# Altium PCB PicoHAL.pcbdoc (part 4 of 5)
Units mm, origin at the board's own origin, x right, y up, seen from the top; angles counter-clockwise.
Board outline 53.34 x 73.15 mm, 4 copper layers (Top Layer, GND, PWR, Bottom Layer), stack 1.807 mm thick; 173 components, 120 nets, 5460 pads, 269 vias.
Unrouted connection lines stored in the file: 1.
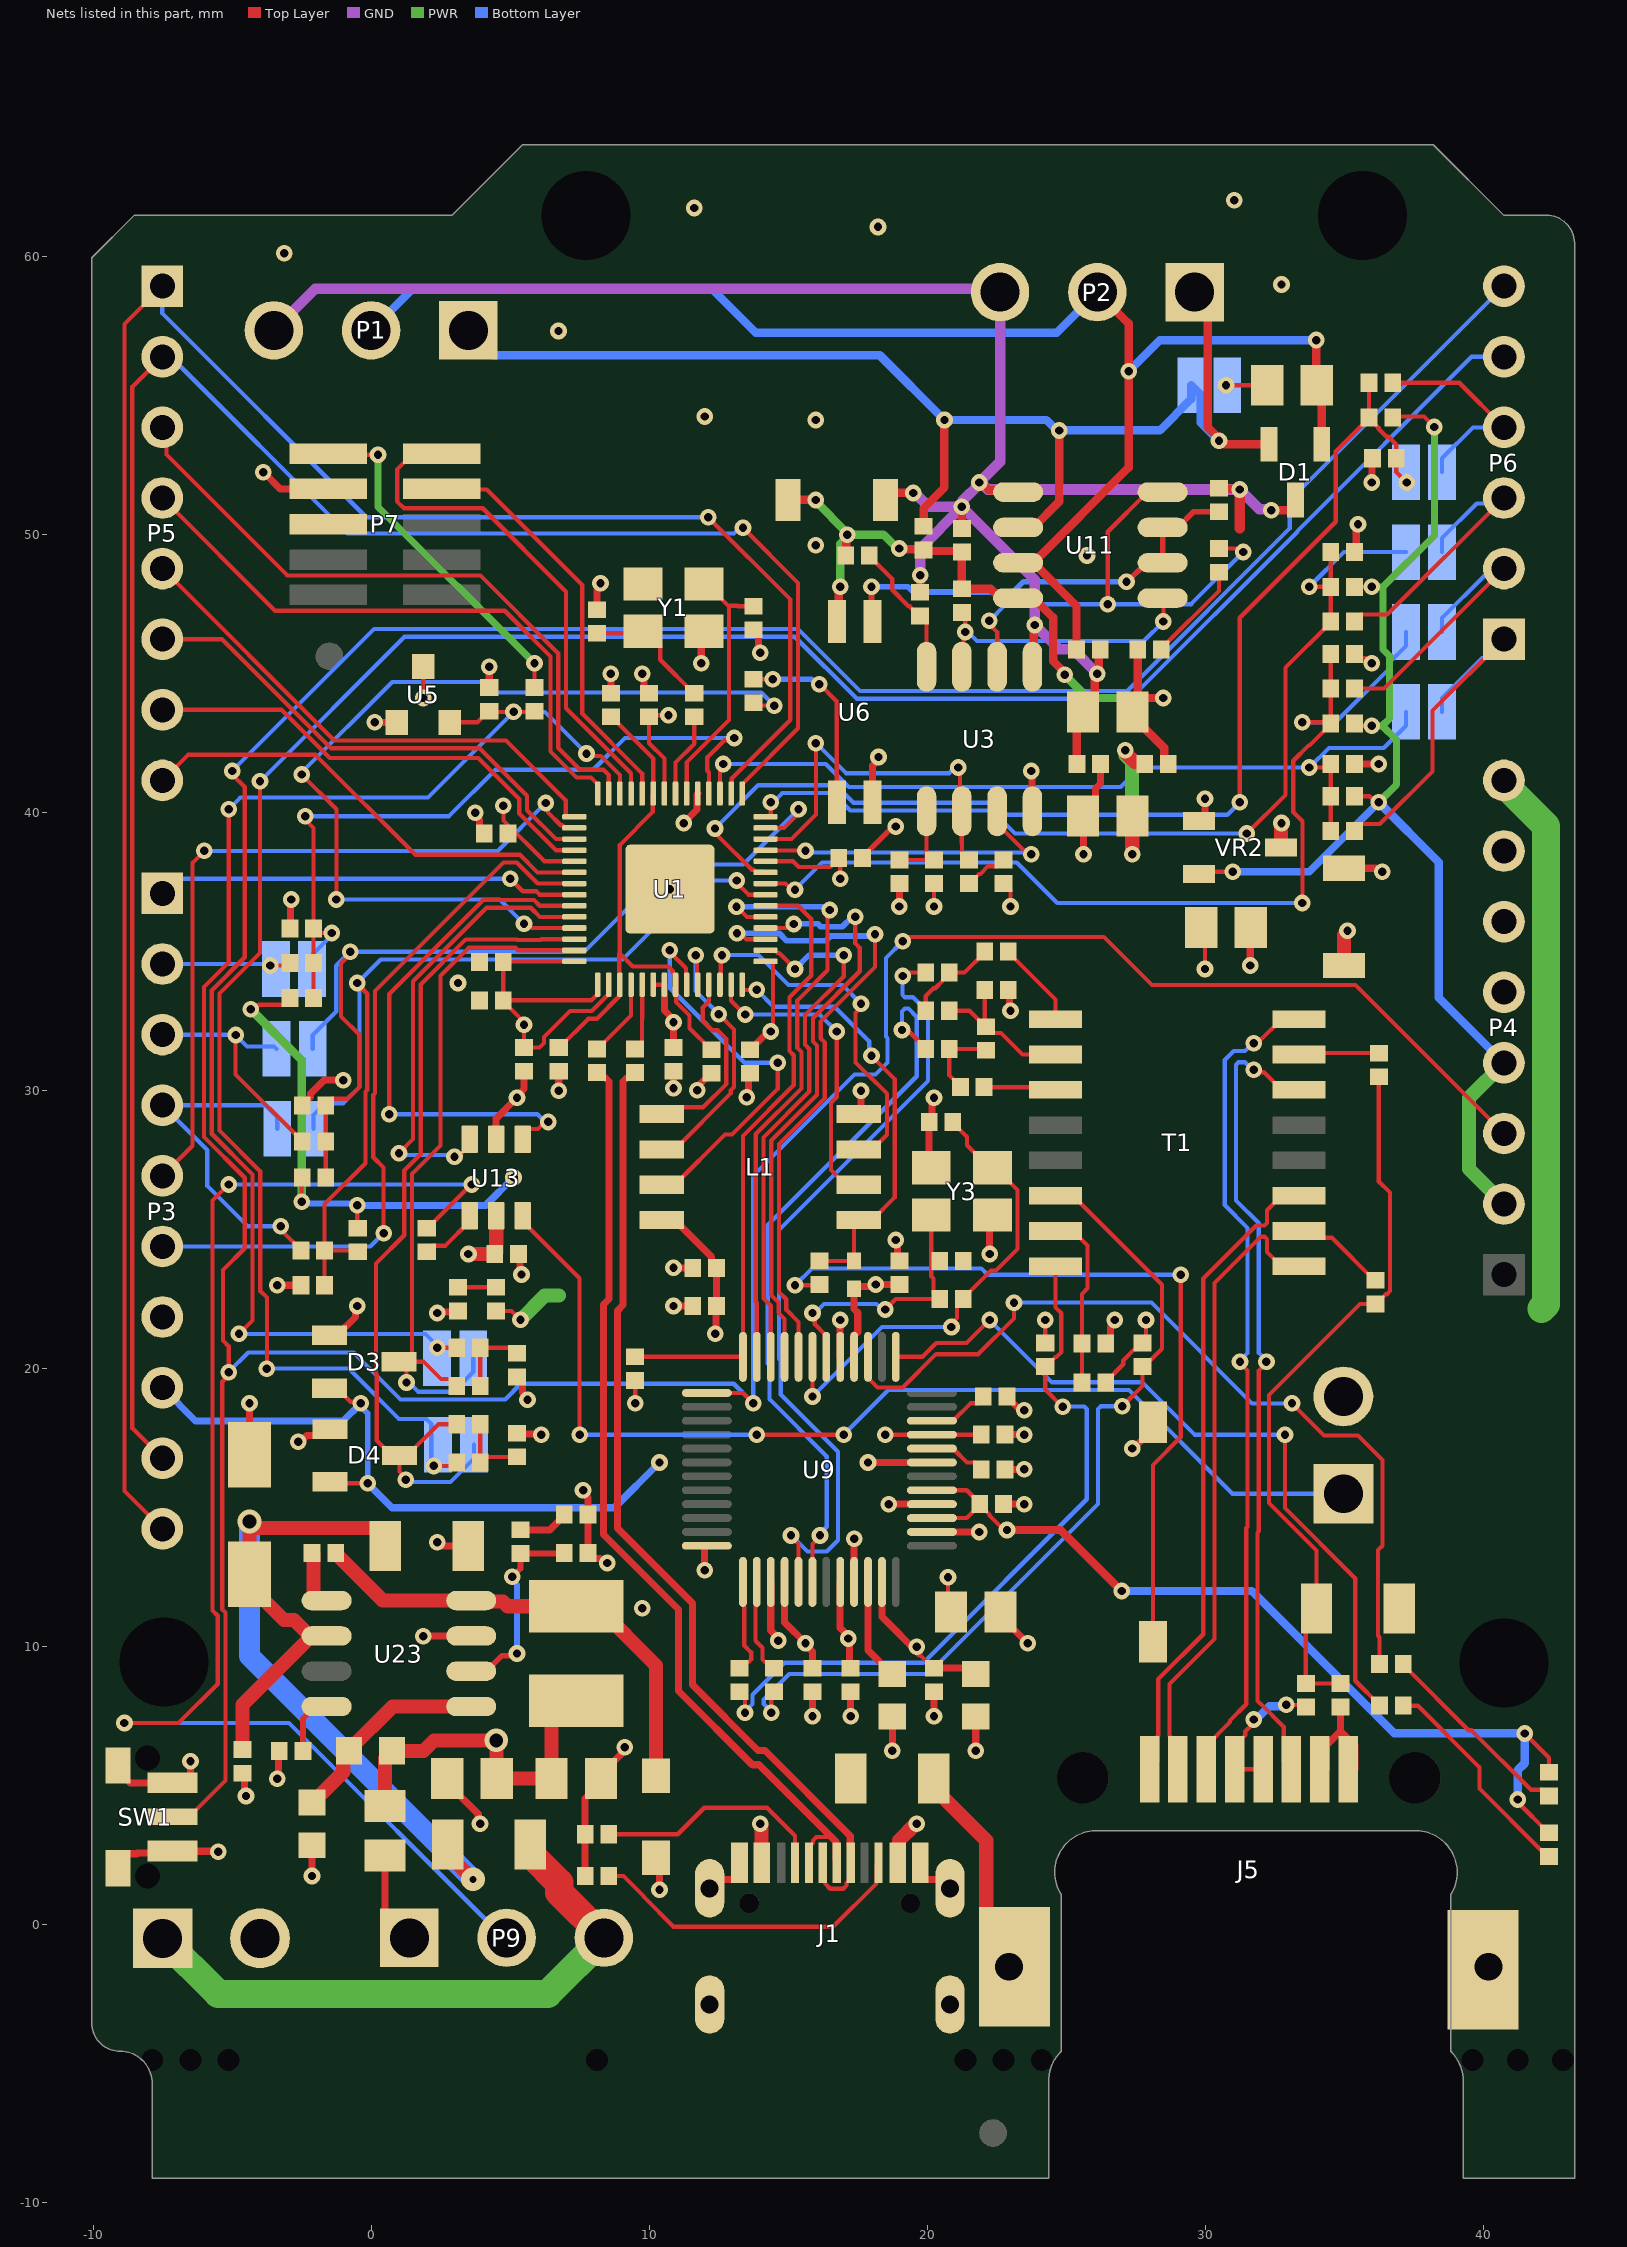
[diagram p6: the nets of this part, all layers, seen from the top]

## Via types
v1: diameter 0.6, hole 0.3, Top Layer to Bottom Layer, tented both sides, 266 vias
v2: diameter 0.85, hole 0.5, Top Layer to Bottom Layer, 2 vias
v3: diameter 0.85, hole 0.254, Top Layer to Bottom Layer, 1 vias

## Nets (pads, with @x,y where several pads share a name; then routed paths per layer and width w, separated by ;. In a path a pad name is that pad's centre, name@x,y a point inside that pad or via, vN(x,y) a via of type N, cw(c..) or ccw(c..) an arc to the next point about the centre after c; other vN are vias at no path point)
+3.3V: C1.2 C2.2 C10.2 C11.2 C12.2 C13.2 C14.2 C15.2 C19.2 C21.2 C25.2 C44.2 C45.2 C48.2 C49.2 C61.2 C62.2 C63.2 C64.2 D3.2 D4.2 D17.A D18.A L1.8 P3.8 P4.2 P4.4 P7.1 R1.2 R7.2 R10.2 R12.2 R14.2 R19.2 R20.2 R40.2 R42.1 R47.1 R49.1 R50.1 R61.1 R69.2 R73.2 R75.2 U1.1 U1.10 U1.22 U1.33 U1.42 U1.43 U1.44 U1.48 U1.49 U5.3 U9.4 U9.8 U9.11 U9.15 U9.17 U9.21 U9.28 VR2.2 | length 204.5
  Top Layer w0.152: v1(-4.33,32.926) -4.209,32.926 -4.044,33.09 -3.144,33.09 -2.921,33.314 R69.2@-2.921,33.339 ; v1(-2.5,26) -2.5,26.855 R12.2@-2.48,26.875 ; P7.1@-1.535,52.915 -1.495,52.875 v1(0.25,52.875) ; D3.2@-1.5,19.3 -1.225,19.3 -0.736,18.811 -0.436,18.811 v1(-0.375,18.75) ; D4.2@-1.48,15.925 -1.43,15.875 v1(-0.125,15.875) ; v1(-0.5,25.875) -0.5,25.07 R73.2@-0.48,25.05 ; v1(1.875,44.125) U5.3@1.875,45.25 ; R10.2@4.5,22.075 5.05,22.075 5.37,21.755 v1(5.375,21.755) ; C13.2@4.75,34.625 C11.2@4.75,33.25 ; C13.2@4.75,34.65 U1.42@7.312,34.65 ; v1(4.75,40.25) 4.766,40.234 4.766,39.721 6.238,38.25 U1.33@7.312,38.25 ; R19.2@5.875,44.5 v1(5.875,45.375) ; U1.43@8.15,33.813 8.126,33.789 8.126,33.451 7.925,33.25 C11.2@4.75,33.25 ; U1.44@8.55,33.813 8.526,33.789 8.526,33.451 7.938,32.863 7.15,32.863 6.222,31.934 6.222,31.718 6.054,31.55 C15.2@5.5,31.55 5.5,32.475 4.75,33.225 C11.2@4.75,33.25 ; v1(9.5,18.75) R61.1@9.5,19.575 ; U1.48@10.15,33.812 U1.49@10.55,33.812 ; U1.22@10.55,40.688 10.55,41.945 10,42.495 C21.2@10,43.45 10.05,43.5 v1(10.695,43.5) ; U1.1@14.187,34.65 14.431,34.65 14.454,34.626 14.454,32.204 v1(14.375,32.125) ; U1.10@14.187,38.25 15.181,38.25 15.385,38.046 16.521,38.046 C12.2@16.825,38.35 ; C12.2@16.825,38.375 C12.2@16.825,38.35 ; v1(16.875,37.625) 16.875,38.3 C12.2@16.825,38.35 ; v1(17.165,10.29) v1@17.25,10.29 ; v1(18.5,17.625) C49.2@21.95,17.625 ; v1(19.625,10) 19.711,9.914 19.711,9.739 20.225,9.225 C48.2@20.25,9.225 ; U9.15@20.175,14.625 21.425,14.625 C64.2@21.9,15.1 ; U9.17@20.175,15.625 21.425,15.625 21.9,15.15 C64.2@21.9,15.1 ; v1(20.25,36.625) R14.2@20.25,37.45 ; v1(20.75,12.5) 20.75,11.36 C44.2@20.86,11.25 ; R42.1@22.75,37.45 22.775,37.45 22.999,37.226 22.999,37.138 23,37.137 v1(23,36.625) ; v1(22.875,14.195) 22.767,14.195 22.247,14.716 22.247,14.753 C64.2@21.9,15.1 ; R49.1@24.25,20.925 v1(24.25,21.75) ; R50.1@26.425,19.5 26.425,19.525 27.056,20.156 27.056,20.294 27.464,20.701 27.526,20.701 27.875,21.05 v1(27.875,21.75) ; VR2.2@29.775,37.8 29.85,37.875 v1(31,37.875) ; C25.2@29.86,35.875 30,35.735 v1(30,34.375) ; R7.2@35.375,40.589 35.915,40.589 36.129,40.375 v1(36.25,40.375) ; R20.2@35.375,43.214 35.464,43.125 v1(36,43.125) ; R40.2@35.375,48.125 v1(36,48.125) ; R75.2@36.75,54.214 36.786,54.25 37.875,54.25 v1(38.25,53.875) ; v1(41.25,4.5) 41.25,4.4 42.35,3.3 D17.A@42.375,3.3 ; v1(41.5,6.875) 42.375,6 D18.A@42.375,5.475
  Top Layer w0.254: L1.8@10.45,25.345 10.925,25.345 12.252,24.018 12.252,23.798 C1.2@12.425,23.625 C2.2@12.425,22.25 ; U1.49@10.55,33.812 10.55,32.882 10.875,32.557 C14.2@10.875,31.55 ; v1(12.375,21.25) 12.4,21.275 C2.2@12.4,22.175 ; C19.2@13.625,31.475 13.65,31.475 14.3,32.125 v1(14.375,32.125) ; U9.4@14.875,12.325 14.875,10.875 v1(15.625,10.125) 15.625,10.066 15.875,9.816 C62.2@15.875,9.225 ; U9.8@16.875,12.325 16.875,10.675 17.208,10.342 17.208,9.267 C61.2@17.25,9.225 ; U9.28@17.375,20.425 17.375,21.192 17.505,21.322 17.505,22.011 17.375,22.141 R1.2@17.375,22.875 17.459,22.959 18.084,22.959 v1(18.15,23.025) C63.2@19,23.025 ; U9.11@18.375,12.325 18.375,11.075 v1@19.711,9.739 ; C48.2@20.25,9.225 21.541,9.225 C45.2@21.876,8.89
  Top Layer w0.305: v1(22.875,14.195) 24.805,14.195 v1(27,12)
  PWR w0.254: v1(0.25,52.875) 0.25,51 v1(5.875,45.375) ; v1(36,43.125) 36.375,43.125 ; v1(36,48.125) 36.406,48.125 ; v1(36.25,40.375) 36.88,41.005 36.88,42.62 36.375,43.125 ; v1(38.25,53.875) 38.25,49.969 36.406,48.125 ; 36.375,43.125 36.63,43.38 36.63,45.641 36.406,45.865 36.406,48.125
  PWR w0.305: v1(-4.33,32.926) -2.5,31.096 v1(-2.5,26)
  PWR w0.508: v1(5.375,21.755) 6.245,22.625 6.75,22.625 ; P4.2@40.75,25.92 39.492,27.178 39.492,29.742 P4.4@40.75,31
  Bottom Layer w0.203: v1(-2.5,26) -2.438,25.937 -0.562,25.937 v1(-0.5,25.875) ; v1(-0.375,18.75) -0.375,18.643 -0.125,18.393 v1(-0.125,15.875)
  Bottom Layer w0.254: P3.8@-7.51,19.316 -6.314,18.12 -1.005,18.12 v1(-0.375,18.75) ; v1(-0.5,25.875) 4.125,25.875 v1(5.125,26.875) ; v1(-0.125,15.875) 0.755,14.995 8.745,14.995 v1(10.375,16.625) ; v1(31,37.875) 33.75,37.875 v1(36.25,40.375)
  Bottom Layer w0.305: v1(27,12) 31.688,12 36.813,6.875 v1(41.5,6.875) 41.5,5.806 41.25,5.556 v1(41.25,4.5) ; v1(36.25,40.375) 38.414,38.211 38.414,33.336 P4.4@40.75,31
  other v1: 5.5,32.375 10.875,32.464
+5V: C3.2 C24.2 C31.2 C34.2 C54.1 D9.2 J1.A4B9 J1.B4A9 L2.1 L4.2 P4.5 R68.2 U13.5 VR2.3 | length 26.1
  Top Layer w0.508: C24.2@0.5,4.265 R68.2@0.5,5.975 ; R68.2@0.75,6.25 1.881,6.25 2.256,6.625 v2(4.5,6.625) 4.508,6.618 4.508,5.257 C34.2@4.515,5.25 C3.2@6.485,5.25 6.485,7.354 7.181,8.05 L4.2@7.375,8.05 ; v1(3.5,24.125) C54.1@4.45,24.125 4.496,24.171 4.496,24.196 4.5,24.2 U13.5@4.5,25.5 ; v1(14,3.625) 14,3.6 14.05,3.55 J1.A4B9@14.05,2.22 ; J1.B4A9@18.95,2.22 18.996,2.266 18.996,3.03 19.574,3.607 19.607,3.607 v1(19.625,3.625) ; v1(27.125,42.25) 27.143,42.232 27.143,42.147 27.469,41.821 27.779,41.821 27.825,41.775 L2.1@27.825,41.75 ; v1(27.375,38.5) 27.383,38.507 27.383,39.867 C31.2@27.39,39.875 ; VR2.3@32.725,38.75 32.737,38.762 32.737,39.612 v1(32.75,39.625) ; D9.2@35,34.5 35,35.6 35.125,35.725 v1(35.125,35.75)
  PWR w0.508: v1(27.125,42.25) 27.143,42.232 27.143,42.058 27.375,41.825 v1(27.375,38.5)
+5V_RS485: C16.2 C32.2 D11.2 L2.2 R8.2 R16.2 R23.1 R37.2 U6.4 U11.8 | length 27.9
  Top Layer w0.305: D11.2@15,51.25 v1(16,51.25) ; U6.4@16.76,46.875 16.819,46.934 16.819,48.069 v1(16.875,48.125) ; R16.2@17.075,49.25 17.1,49.275 17.1,49.975 v1(17.125,50) ; v1(19,49.5) 19.025,49.475 19.85,49.475 19.913,49.412 21.213,49.412 C16.2@21.25,49.375 R8.2@21.25,48.05 22.288,48.05 22.618,47.72 23.832,47.72 24.531,47.022 24.531,45.455 24.947,45.039 v1(24.947,44.959) ; C32.2@27.39,43.47 28.527,42.333 28.527,41.898 L2.2@28.675,41.75 ; C32.2@27.39,43.625 27.39,43.697 C32.2@27.575,43.882 ; R37.2@27.575,45.875 C32.2@27.575,43.882 ; v1(28.5,44.125) 27.818,44.125 C32.2@27.575,43.882
  PWR w0.305: v1(16,51.25) 16,51.187 17.125,50.063 v1(17.125,50) ; v1(16.875,48.125) 16.875,49.67 17.125,49.92 v1(17.125,50) ; v1(19,49.5) 18.929,49.5 18.429,50 v1(17.125,50) ; v1(24.947,44.959) 25.781,44.125 v1(28.5,44.125)
A: D1.2 J4.1 P1.1 P2.1 R23.2 U11.6 | length 46.9
  Top Layer w0.305: R23.2@19.875,50.3 19.875,50.948 20.625,51.698 v1(20.625,54.125) ; U11.6@23.275,50.26 23.825,50.26 24.75,51.185 v1(24.75,53.75) ; P2.1@29.625,58.725 30.094,58.256 30.094,53.86 30.5,53.455 v1(30.5,53.375) 30.58,53.375 30.705,53.25 D1.2@32.3,53.25
  Bottom Layer w0.305: P1.1@3.5,57.35 4.398,56.452 18.298,56.452 v1(20.625,54.125) 24.295,54.125 v1@24.67,53.75 ; v1(24.75,53.75) 28.375,53.75 29.5,54.875 J4.1@29.5,55.375 29.848,55.027 29.848,54.027 v1(30.5,53.375)
ADC2: J8.2 P6.5 R29.2 | length 84.5
  Top Layer w0.152: v1(-4,41.125) -4,34.947 -5.454,33.493 -5.454,28.564 -3.987,27.096 -3.987,22.792 -3.75,22.556 v1(-3.75,20) ; v1(2.25,16.5) 2.95,16.5 R29.2@3.075,16.625
  Bottom Layer w0.152: v1(-4,41.125) 1.204,46.329 15.24,46.329 17.469,44.1 27.315,44.1 33.322,50.108 33.322,50.135 39.588,56.4 P6.5@40.75,56.4 ; v1(-3.75,20) -0.806,20 1.004,18.19 1.98,18.19 2.166,18.005 2.166,16.584 v1(2.25,16.5)
ADC2_MCU: D4.3 J8.1 R15.1 U1.40 | length 31.2
  Top Layer w0.152: v1(1.25,16) 1.25,16.066 1.02,16.296 D4.3@1.02,16.875 ; R15.1@3.075,18 2.42,18 1.295,16.875 D4.3@1.02,16.875 ; U1.40@7.312,35.45 6.12,35.45 6.091,35.421 5.26,35.421 5.248,35.433 3.4,35.433 1.786,33.818 1.786,27.717 1.192,27.123 1.192,24.798 0.172,23.778 0.172,19.816 0.204,19.783 0.204,17.416 0.745,16.875 D4.3@1.02,16.875
  Bottom Layer w0.152: v1(1.25,16) 1.329,15.921 2.858,15.921 3.704,16.767 J8.1@3.704,17.267
ADC3: J7.2 P6.6 R17.2 | length 85.2
  Top Layer w0.152: v1(-5,41.5) -5,41.379 -4.546,40.924 -4.546,34.797 -5.734,33.608 -5.734,28.448 -4.266,26.981 -4.266,21.734 v1(-4.75,21.25) ; v1(2.375,20.75) R17.2@3.075,20.75
  Bottom Layer w0.152: v1(-5,41.5) 0.109,46.609 15.356,46.609 17.585,44.38 27.199,44.38 33.043,50.223 33.043,51.233 P6.6@40.75,58.94 ; v1(-4.75,21.25) 1.951,21.25 2.375,20.826 v1(2.375,20.75)
ADC3_MCU: D3.3 J7.1 R6.1 U1.41 | length 26.3
  Top Layer w0.152: D3.3@1,20.25 D3.3@1.101,20.25 ; v1(1.27,19.5) 1.27,20.081 D3.3@1.101,20.25 ; R6.1@3.075,19.375 3.075,19.4 2.851,19.624 2.513,19.624 1.887,20.25 D3.3@1.275,20.25 ; U1.41@7.312,35.05 5.285,35.05 5.194,35.141 5.144,35.141 5.132,35.153 3.516,35.153 2.494,34.131 2.494,28.029 1.472,27.007 1.472,20.447 D3.3@1.275,20.25 ; D3.3@1.101,20.25 D3.3@1.275,20.25
  Bottom Layer w0.152: v1(1.27,19.5) 1.361,19.5 1.69,19.172 2.972,19.172 3.675,19.875 J7.1@3.675,20.375
B: D1.1 P1.2 P2.2 R21.1 R48.2 U11.7 | length 54.9
  Top Layer w0.305: U11.7@23.275,48.99 U11.7@23.825,48.99 ; R21.1@25.375,45.875 25.375,47.44 U11.7@23.825,48.99 ; P2.2@26.125,58.725 27.25,57.6 27.25,52.415 U11.7@23.825,48.99 ; v1(34,57) 34,55.39 34.2,55.19 D1.1@34.2,53.25
  Bottom Layer w0.305: P1.2@0,57.35 1.456,58.806 12.294,58.806 13.831,57.269 24.669,57.269 P2.2@26.125,58.725 ; v1(27.25,55.875) 28.375,57 v1(34,57)
DE: R27.1 U6.3 U11.2 U11.3 | length 15.8
  Top Layer w0.203: v1(18,48.125) 18,46.905 U6.3@18.03,46.875 ; v1(27.174,48.31) 27.209,48.31 27.89,48.99 U11.2@28.475,48.99 U11.3@28.475,50.26 29.025,50.26 29.59,50.825 R27.1@30.5,50.825
  Bottom Layer w0.203: v1(18,48.125) 19.315,48.125 19.499,47.94 23.098,47.94 23.468,48.31 v1(27.174,48.31)
GND: C1.1 C2.1 C3.1 C5.2 C6.2 C7.1 C8.1 C9.1 C10.1 C11.1 C12.1 C13.1 C14.1 C15.1 C17.1 C18.1 C19.1 C20.1 C21.1 C22.2 C23.1 C24.1 C25.1 C26.1 C29.1 C30.1 C31.1 C34.1 C38.1 C41.1 C42.1 C43.1 C44.1 C45.1 C46.1 C47.1 C48.1 C49.1 C50.1 C51.1 C52.1 C53.1 C54.2 C55.1 C56.1 C58.1 C59.1 C60.1 C61.1 C62.1 C63.1 C64.1 C66.1 D3.1 D4.1 D9.1 D10.K D13.1 D14.1 J1.A1B12 J1.B1A12 J1.S1 J1.S2 J1.S3 J1.S4 J2.2 J3.2 L1.4 L3.1 P3.7 P4.6 P4.7 P7.3 P7.5 P9.1 R31.2 R32.2 R78.1 R85.1 SW1.1 SW1.3 SW1.MP1 SW1.MP2 SW2.2 U1.19 U1.57 U3.4 U5.1 U6.2 U9.3 U9.9 U9.14 U9.16 U9.19 U9.29 U9.48 U13.2 U23.7 VR2.1 Y1.2 Y1.4 Y3.2 Y3.4 | length 108.8
  Top Layer w0.203: C12.1@17.675,38.375 17.675,38.4 18.775,39.5 v1(18.875,39.5)
  Top Layer w0.254: SW1.MP2@-9.1,2.025 -9.1,2.225 -8.777,2.548 -8.427,2.548 -8.394,2.581 -7.219,2.581 SW1.3@-7.15,2.65 -7.137,2.638 -5.513,2.638 v1(-5.5,2.625) ; SW1.MP1@-9.1,5.725 -9.1,5.525 -8.675,5.1 -6.748,5.1 -6.5,5.348 v1(-6.5,5.875) ; C47.1@-4.625,5.45 -4.563,5.388 -4.563,4.687 v1(-4.5,4.625) ; D13.1@-4.375,16.9 v1(-4.375,18.75) ; v1(-3.875,52.25) -3.27,51.645 P7.3@-1.535,51.645 ; v1(-3.375,5.25) -3.337,5.288 -3.337,6.213 C55.1@-3.3,6.25 ; v1(-3.375,23) C51.1@-2.526,23 ; C50.1@-2.921,35.839 -2.898,35.862 -2.898,36.852 v1(-2.875,36.875) ; v1(-2.625,17.375) -2.531,17.375 -2.304,17.602 -1.703,17.602 D4.1@-1.48,17.825 ; C18.1@-2.48,29.458 -2.48,29.483 -2.184,29.779 -2.184,29.889 -1.698,30.375 v1(-1,30.375) ; v1(-2.125,1.75) R85.1@-2.125,2.855 ; D3.1@-1.5,21.2 -1.225,21.2 -0.566,21.859 -0.566,22.184 v1(-0.5,22.25) ; v1(0.125,43.25) U5.1@0.925,43.25 ; C24.1@0.5,2.485 0.5,0.4 P9.1@1.375,-0.475 ; v1(1.875,10.375) 1.88,10.38 3.595,10.38 U23.7@3.6,10.385 ; v1(2.375,13.75) 2.469,13.75 2.594,13.625 C46.1@3.49,13.625 ; v1(2.375,22) 2.412,22.037 3.088,22.037 D10.K@3.125,22.075 ; C34.1@2.735,5.25 2.735,5.095 3.854,3.976 3.854,3.691 v1(3.92,3.625) ; v1(3.75,40) 3.75,39.906 3.902,39.754 3.902,39.423 C10.1@4.075,39.25 ; C23.1@4.25,44.5 v1(4.25,45.25) ; U13.2@4.5,28.25 4.5,29 v1(5.25,29.75) 5.25,29.809 5.5,30.059 C15.1@5.5,30.7 ; C30.1@5.25,17.675 5.275,17.65 6.1,17.65 v1(6.125,17.625) ; C29.1@5.25,19.7 5.275,19.7 5.448,19.527 5.448,19.146 5.625,18.969 v1(5.625,18.875) ; C54.2@5.3,24.125 5.354,24.071 5.354,23.438 v1(5.408,23.384) ; v1(6.75,30) C9.1@6.75,30.7 ; v1(7.625,15.625) 7.625,15.531 7.794,15.362 7.794,14.756 C56.1@7.8,14.75 7.8,13.35 7.973,13.177 8.234,13.177 8.406,13.005 v1(8.5,13.005) ; R31.2@7.7,1.75 7.7,4.53 8.265,5.095 8.265,5.405 9.059,6.199 9.059,6.309 v1(9.125,6.375) ; C6.2@8.125,47.3 8.125,48.031 8.25,48.156 v1(8.25,48.25) ; C8.1@8.625,44.3 v1(8.625,45) ; v1(9.75,45) 9.816,44.934 9.816,44.473 9.989,44.3 C21.1@10,44.3 ; D14.1@10.25,2.4 10.375,2.275 v1(10.375,1.25) ; v1(10.875,22.25) C2.1@11.575,22.25 ; v1(10.875,23.625) C1.1@11.575,23.625 ; v1(10.875,30.085) C14.1@10.875,30.7 ; v1(11.25,39.625) 11.25,39.642 11.723,40.115 11.723,40.66 U1.19@11.75,40.687 ; v1(11.734,30.016) 11.8,30.082 11.8,30.2 12.225,30.625 C7.1@12.25,30.625 ; v1(11.875,45.375) 11.875,46.425 Y1.4@11.975,46.525 ; v1(12,12.75) 12,13.613 12.012,13.625 U9.48@12.075,13.625 ; J1.S1@12.18,1.305 12.497,1.622 13.077,1.622 13.25,1.795 J1.A1B12@13.25,2.22 ; v1(13.513,29.766) 13.569,29.823 13.569,30.569 C19.1@13.625,30.625 ; C5.2@13.75,46.575 13.761,46.575 13.934,46.402 13.934,45.816 v1(14,45.75) ; U9.3@14.375,12.325 14.375,10.577 14.642,10.31 v1(14.642,10.217) ; v1(15.875,7.5) C62.1@15.875,8.375 ; U9.29@16.875,20.425 v1(16.875,21.75) ; v1(17.25,7.5) C61.1@17.25,8.375 ; U9.9@17.375,12.325 v1(17.375,13.875) ; L1.4@17.55,29.155 17.625,29.23 v1(17.625,30) ; v1(17.875,16.625) U9.19@20.175,16.625 ; U6.2@18.03,40.375 18.03,41.686 18.25,41.906 v1(18.25,42) ; v1(18.625,15.125) U9.16@20.175,15.125 ; v1(18.75,6.25) R78.1@18.75,7.48 ; v1(18.875,24.625) 18.937,24.563 18.937,23.938 C63.1@19,23.875 ; v1(19,36.625) C22.2@19,37.45 ; J1.B1A12@19.75,2.22 19.75,1.795 19.923,1.622 20.503,1.622 J1.S2@20.82,1.305 ; Y3.4@20.15,27.225 20.075,27.3 C60.1@20.075,28.875 20.184,28.984 20.184,29.684 v1(20.25,29.75) ; U9.14@20.175,14.125 v1(21.875,14.125) ; v1(20.25,7.5) C48.1@20.25,8.375 ; v1(21.75,6.25) C45.1@21.75,7.48 ; v1(22.25,24.125) 22.25,25.425 Y3.2@22.35,25.525 ; C44.1@22.64,11.25 22.64,11.095 23.61,10.125 v1(23.625,10.125) ; C64.1@22.75,15.125 v1(23.5,15.125) ; C41.1@22.8,16.375 v1(23.5,16.375) ; C49.1@22.8,17.625 v1(23.5,17.625) ; C59.1@22.875,19 22.875,18.975 23.284,18.566 23.434,18.566 v1(23.5,18.5) ; C38.1@22.925,33.625 22.962,33.587 22.962,32.912 v1(23,32.875) ; v1(23.75,41.5) 23.77,41.48 23.77,40.07 U3.4@23.79,40.05 ; v1(25.625,38.5) 25.625,39.86 C31.1@25.61,39.875 26.063,40.328 26.063,40.867 26.24,41.044 L3.1@26.24,41.75 ; C58.1@26.425,20.9 26.598,21.073 26.598,21.504 26.75,21.656 v1(26.75,21.75) ; v1(27.375,17.125) 27.425,17.125 28.125,17.825 SW2.2@28.125,18.075 ; VR2.1@29.775,39.7 29.802,39.7 30,39.898 v1(30,40.5) ; v1(31.625,34.5) 31.625,35.86 C25.1@31.64,35.875 ; D9.1@35,38 36.156,38 36.281,37.875 v1(36.375,37.875) ; C20.1@35.375,41.75 v1(36.25,41.75) ; C26.1@35.375,45.714 35.375,45.689 35.548,45.516 35.765,45.516 35.906,45.375 v1(36,45.375) ; C17.1@35.375,49.375 35.437,49.438 35.437,50.312 v1(35.5,50.375) ; v1(36,51.875) 36.013,51.888 36.013,52.737 C53.1@36.025,52.75
  other v1: 9.75,11.375 3.125,33.875 10.75,37.25
GP5: C51.2 J11.2 R73.1 R74.2 U1.7 | length 35.7
  Top Layer w0.152: C51.2@-1.676,23 R74.2@-1.676,24.25 ; v1(-0.5,33.875) -0.5,33.845 -0.141,33.486 -0.141,30.019 -0.204,29.956 -0.204,27.388 -1.676,25.917 R74.2@-1.676,24.25 ; R73.1@-0.48,24.2 -0.53,24.25 R74.2@-1.676,24.25 ; v1(13.148,37.56) 13.148,37.477 13.575,37.05 U1.7@14.188,37.05
  Bottom Layer w0.152: J11.2@-2.075,28.625 -2.075,29.125 -1.651,29.549 -1.007,29.549 -0.421,30.135 -0.421,33.796 v1(-0.5,33.875) 0.346,34.721 9.04,34.721 11.879,37.56 v1(13.148,37.56)
GP5_EXT: J11.1 P3.4 R74.1 | length 12.7
  Top Layer w0.152: v1(-3.25,25.125) -3.164,25.039 -3.164,24.914 -2.526,24.275 R74.1@-2.526,24.25
  Bottom Layer w0.152: J11.1@-3.375,28.625 -3.375,29.052 -3.799,29.476 P3.4@-7.51,29.476 -5.891,27.857 -5.891,26.572 -4.444,25.125 v1(-3.25,25.125)
GP6: C26.2 J14.2 R20.1 R22.2 U1.8 | length 36.6
  Top Layer w0.152: U1.8@14.188,37.45 14.908,37.45 15.129,37.229 v1(15.25,37.229) ; v1(33.5,36.75) 33.503,36.753 33.503,39.691 33.171,40.024 33.171,41.865 33.721,42.415 33.751,42.415 34.525,43.189 R20.1@34.525,43.214 ; v1(33.5,43.25) 34.489,43.25 R20.1@34.525,43.214 ; C26.2@34.525,45.714 R20.1@34.525,43.214
  Bottom Layer w0.152: v1(15.25,37.229) 16.225,38.204 23.226,38.204 24.681,36.75 v1(33.5,36.75) ; v1(33.5,43.25) 34.694,43.25 36.579,45.135 36.579,45.354 37.225,46 J14.2@37.225,46.5
GP6_EXT: J14.1 P6.2 R22.1 | length 10.6
  Top Layer w0.152: R22.1@35.375,44.464 36.434,44.464 P6.2@40.75,48.78
  Bottom Layer w0.152: J14.1@38.525,46.5 38.525,47 40.047,48.522 40.492,48.522 P6.2@40.75,48.78
GP7: C53.2 J12.2 R75.1 R76.2 U1.9 | length 42.6
  Top Layer w0.152: v1(12.373,39.433) 12.458,39.347 12.458,39.184 13.695,37.947 13.753,37.947 13.826,37.874 14.164,37.874 U1.9@14.188,37.85 ; v1(31.25,40.375) 31.25,47.012 34.703,50.466 34.703,52.992 R75.1@35.9,54.189 ; R76.2@35.9,55.464 R75.1@35.9,54.189 ; v1(37.25,51.875) 36.875,52.25 36.875,53.239 36.592,53.522 36.53,53.522 36.247,53.805 36.247,53.842 R75.1@35.9,54.189
  Bottom Layer w0.152: v1(12.373,39.433) 13.924,40.984 16.726,40.984 17.351,40.359 22.453,40.359 22.891,39.921 30.796,39.921 v1(31.25,40.375)
GP7_EXT: J12.1 P6.4 R76.1 | length 7.8
  Top Layer w0.152: R76.1@36.75,55.464 39.146,55.464 P6.4@40.75,53.86
  Bottom Layer w0.152: J12.1@38.525,52.25 38.525,52.75 39.635,53.86 P6.4@40.75,53.86
GP10: C18.2 J9.2 R12.1 R13.2 U1.13 | length 33.2
  Top Layer w0.152: R12.1@-1.63,26.875 C18.2@-1.63,29.458 -1.63,29.483 -1.406,29.707 -0.848,29.707 -0.421,30.135 -0.421,32.013 -1.079,32.672 -1.079,34.582 -0.75,34.911 v1(-0.75,35) ; U1.13@14.187,39.45 14.854,39.45 15.289,39.886 15.289,40.039 v1(15.375,40.125)
  Bottom Layer w0.152: J9.2@-2.1,31.5 -2.1,32 -1.256,32.844 -1.256,34.494 v1(-0.75,35) 7.681,35 10.82,38.139 13.389,38.139 v1(15.375,40.125)
GP10_EXT: J9.1 P3.3 R13.1 | length 9.1
  Top Layer w0.152: v1(-4.875,32) -4.875,30.587 -2.48,28.192 R13.1@-2.48,28.167
  Bottom Layer w0.152: P3.3@-7.51,32.016 -7.502,32.008 -4.883,32.008 v1@-4.875,32.016 ; v1(-4.875,32) -4.467,31.592 -3.492,31.592 J9.1@-3.4,31.5
GP11: C17.2 J15.2 R40.1 R41.2 U1.14 | length 34.7
  Top Layer w0.152: U1.14@14.187,39.85 14.351,39.85 14.375,39.874 v1(14.375,40.375) ; v1(31.5,39.25) 32.891,40.641 32.891,45.216 34.525,46.85 R41.2@34.525,46.875 R40.1@34.525,48.125 ; v1(33.75,48.125) R40.1@34.525,48.125 ; C17.2@34.525,49.375 R40.1@34.525,48.125
  Bottom Layer w0.152: v1(14.375,40.375) 14.464,40.375 14.793,40.704 16.61,40.704 17.235,40.079 22.337,40.079 23.167,39.25 v1(31.5,39.25) ; v1(33.75,48.125) 35,49.375 J15.2@37.225,49.375
GP11_EXT: J15.1 P6.3 R41.1 | length 10.6
  Top Layer w0.152: R41.1@35.375,46.875 35.375,46.9 35.599,47.124 36.554,47.124 P6.3@40.75,51.32
  Bottom Layer w0.152: J15.1@38.525,49.375 38.525,49.875 39.771,51.121 40.551,51.121 P6.3@40.75,51.32
GP12: P3.9 P5.2 U1.15 | length 75.3
  Top Layer w0.152: P3.9@-7.51,16.776 -8.59,17.856 -8.59,55.32 P5.2@-7.51,56.4 ; U1.15@13.35,40.687 13.374,40.711 13.374,41.049 15.36,43.035 15.36,48.265 v1(13.375,50.25)
  Bottom Layer w0.152: P5.2@-7.51,56.4 -7.206,56.4 -0.851,50.046 13.049,50.046 13.254,50.25 v1(13.375,50.25)
GP13: P3.10 P5.1 U1.16 | length 81.5
  Top Layer w0.152: P3.10@-7.51,14.236 -8.87,15.596 -8.87,57.58 P5.1@-7.51,58.94 ; v1(12.125,50.625) 15.081,47.669 15.081,43.341 12.974,41.234 12.974,40.711 U1.16@12.95,40.687
  Bottom Layer w0.152: P5.1@-7.51,58.94 -7.51,57.961 -0.174,50.625 v1(12.125,50.625)
GP14: C20.2 J13.2 R7.1 R9.2 U1.17 | length 30.7
  Top Layer w0.152: U1.17@12.55,40.687 12.55,41.508 12.671,41.629 v1(12.671,41.75) ; v1(33.75,41.625) 34.4,41.625 C20.2@34.525,41.75 R9.2@34.525,39.339
  Bottom Layer w0.152: v1(12.671,41.75) 16.355,41.75 17.184,40.921 26.965,40.921 27.669,41.625 v1(33.75,41.625) 34.454,42.329 36.429,42.329 37.225,43.125 J13.2@37.225,43.625
GP14_EXT: J13.1 P6.1 R9.1 | length 13.1
  Top Layer w0.152: R9.1@35.375,39.339 35.375,39.364 35.599,39.588 36.282,39.588 38.179,41.485 38.179,43.669 P6.1@40.75,46.24